# KiCad board Amiga A500 Keyboard - Mitsumi A619A Membrane - Mapping.kicad_pcb (continued)
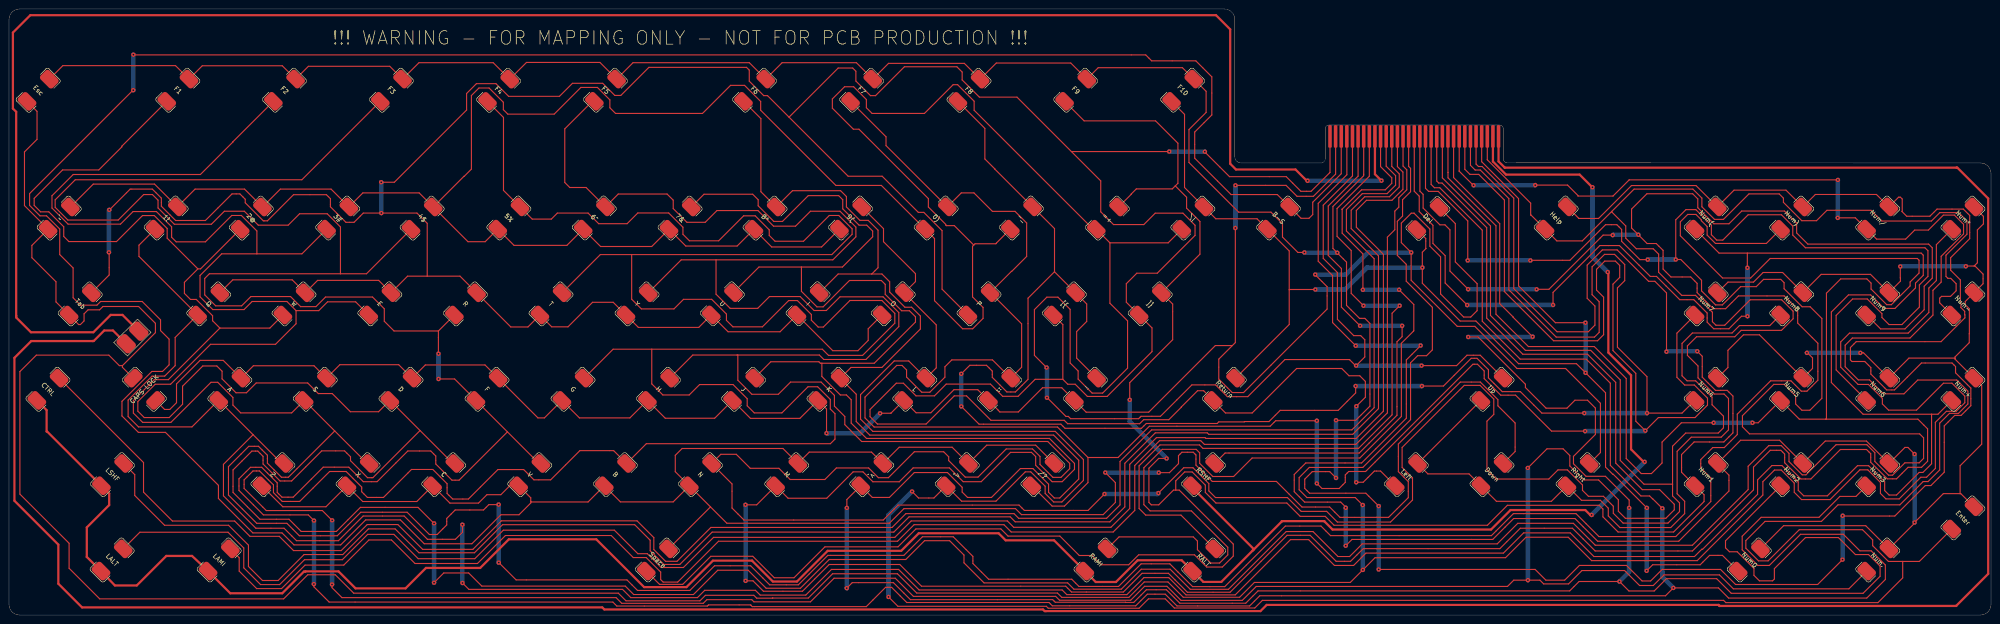
[diagram p0: board, top side]
## Routing (per net, layer and track width the routed paths; a pad name or vN(x,y) marks a point on that pad's centre or on a via; arc(x,y) is an arc through that point) (continued)

## Text on the board
F.Silkscreen: !!! WARNING - FOR MAPPING ONLY - NOT FOR PCB PRODUCTION !!!
